# KiCad board Win-split-right.kicad_pcb
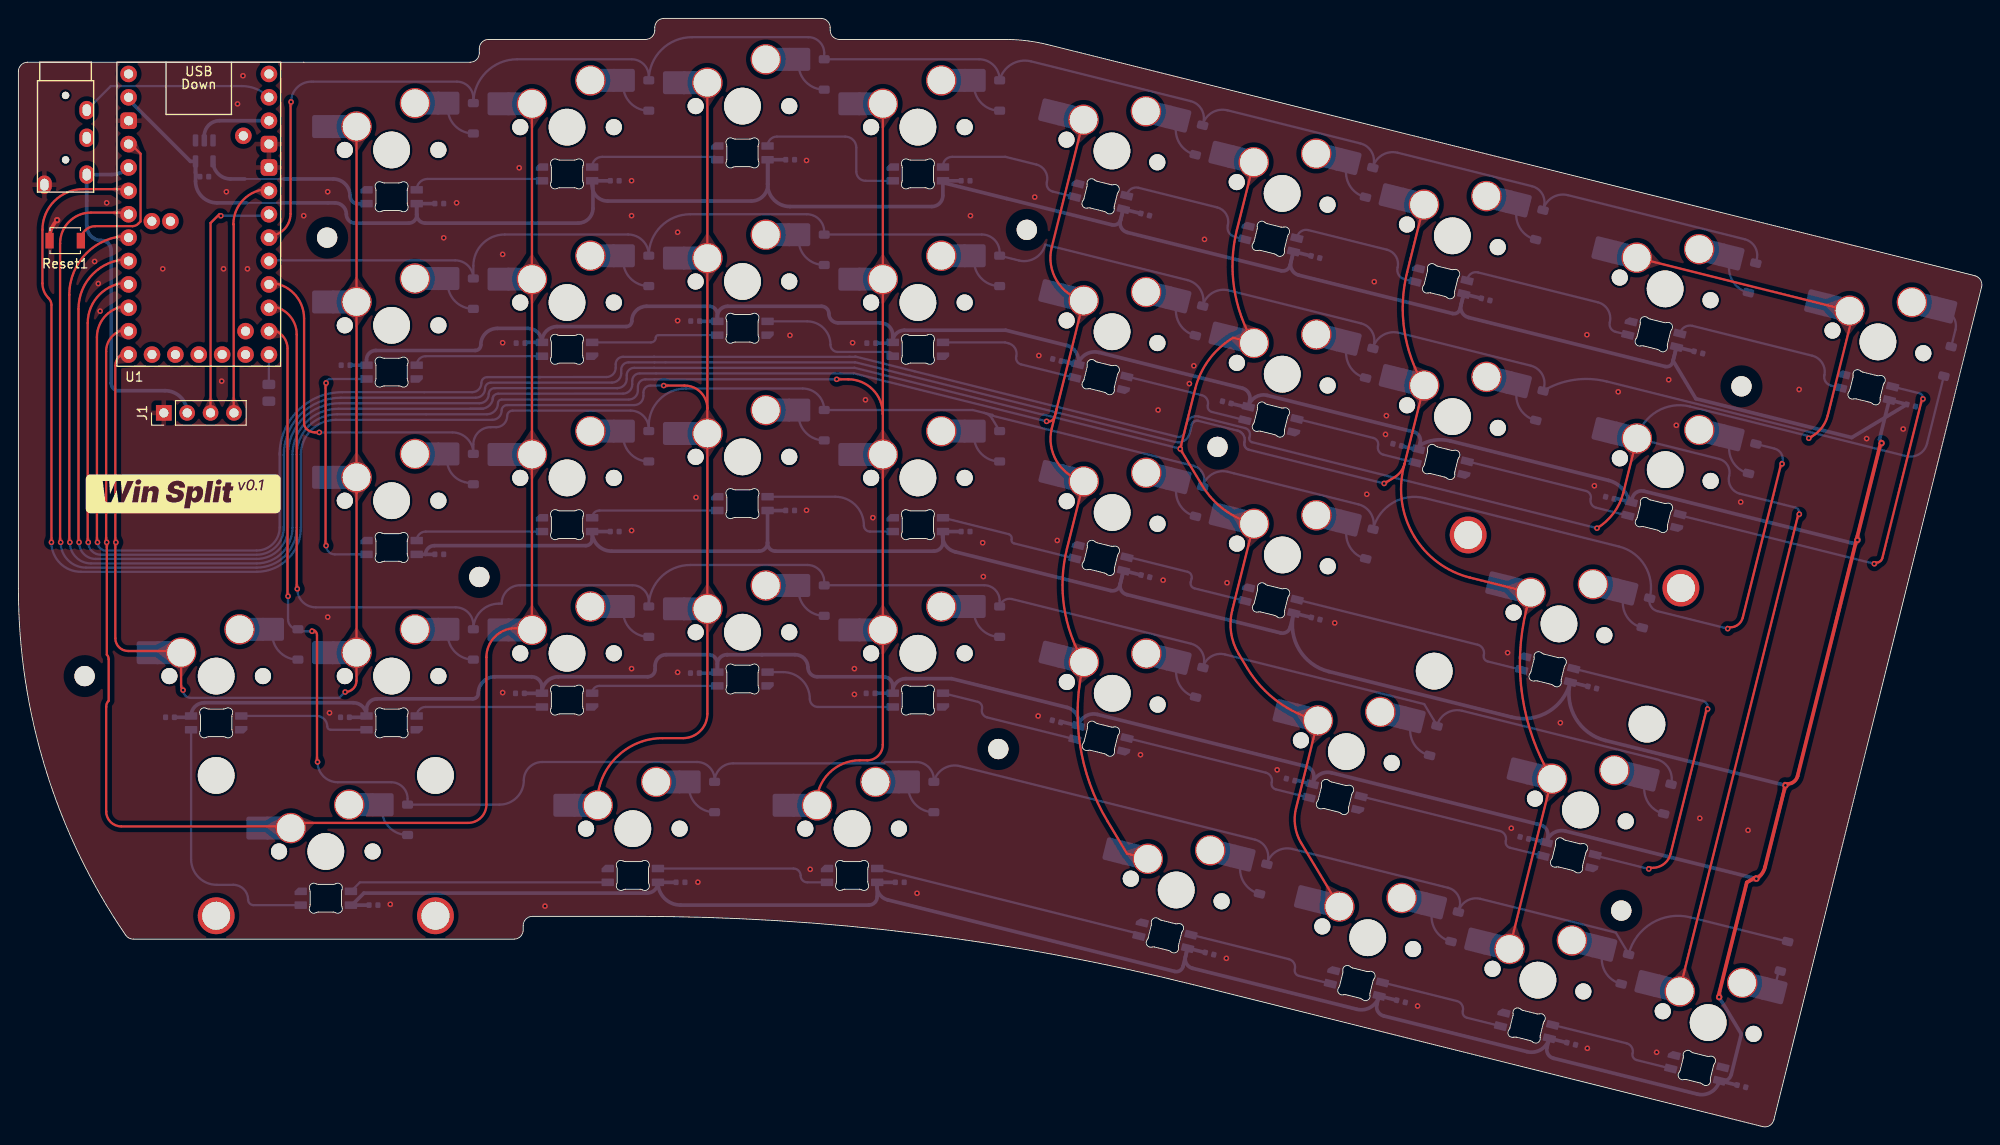
[diagram p0: board, top side]
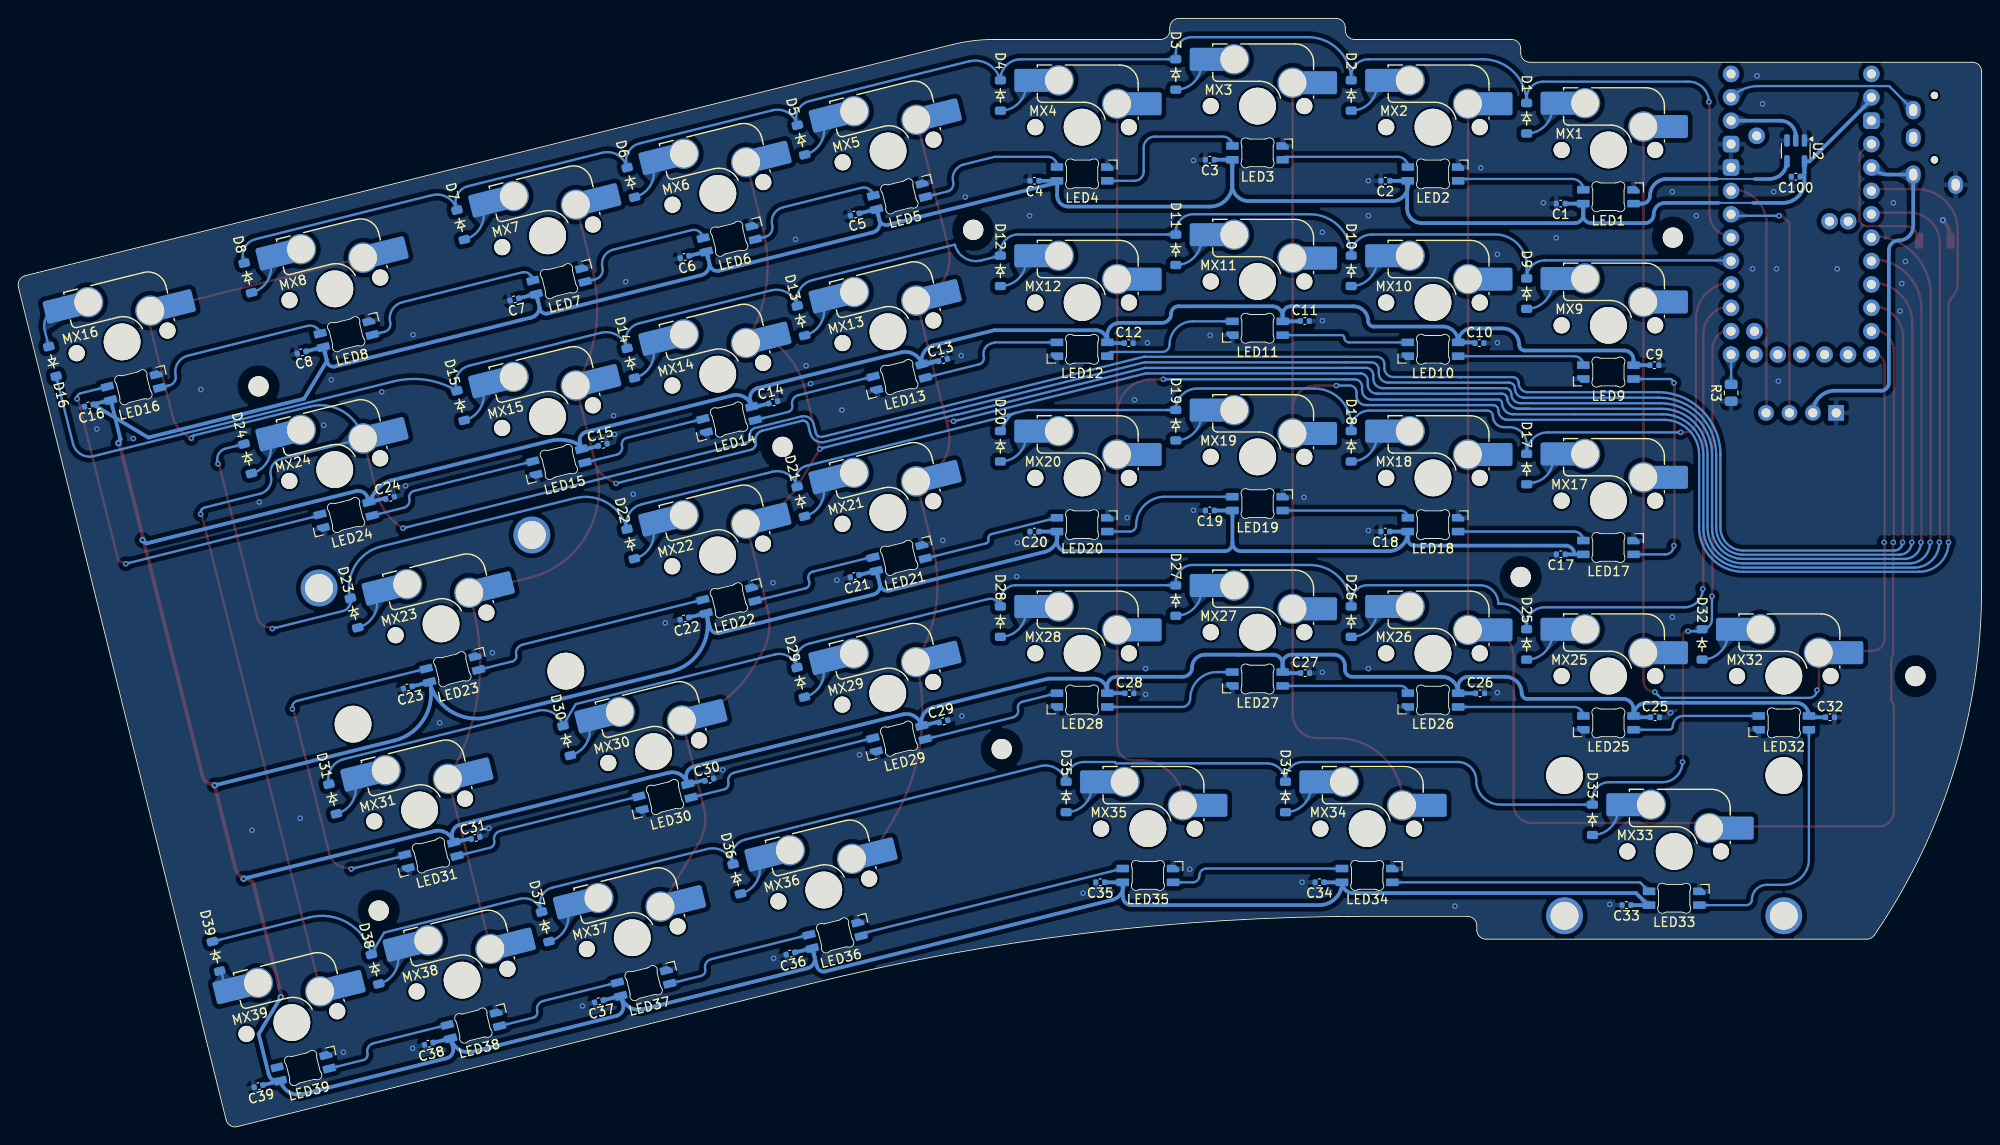
[diagram p1: board, bottom side, seen from below]

Outline 213.21 x 120.4 mm; copper layers: Top, Bottom. Coordinates in mm from the lower left corner of the outline.
Outline path: 0,114.64 0,58.49 arc(2.98,38.78) 11.65,20.82 arc(12.01,20.51) 12.47,20.39 53.81,20.39 arc(54.52,20.68) 54.81,21.39 54.81,21.87 arc(55.1,22.57) 55.81,22.87 67.12,22.87 arc(97.59,21) 127.6,15.44 189.41,0.03 arc(190.17,0.14) 190.62,0.76 213.18,91.24 arc(213.07,92) 212.45,92.45 111.76,117.56 arc(109.5,117.98) 107.2,118.12 89.15,118.12 arc(88.44,118.41) 88.15,119.12 88.15,119.4 arc(87.86,120.11) 87.15,120.4 70.1,120.4 arc(69.39,120.11) 69.1,119.4 69.1,119.12 arc(68.81,118.41) 68.1,118.12 51.05,118.12 arc(50.34,117.82) 50.05,117.12 50.05,116.64 arc(49.76,115.93) 49.05,115.64 31,115.64 1,115.64 arc(0.29,115.35) 0,114.64
Stack: Top 0.035mm / dielectric 1.51mm FR4 er 4.5 / Bottom 0.035mm

## Placement (name value [footprint] x y rotation side)
C1  100nF  [C_0402_1005Metric]  45.7 100.29 0 bottom
C2  100nF  [C_0402_1005Metric]  64.75 102.77 0 bottom
C3  100nF  [C_0402_1005Metric]  83.8 105.05 0 bottom
C4  100nF  [C_0402_1005Metric]  102.85 102.77 0 bottom
C5  100nF  [C_0402_1005Metric]  122.36 99.1 346 bottom
C6  100nF  [C_0402_1005Metric]  140.85 94.49 346 bottom
C7  100nF  [C_0402_1005Metric]  159.33 89.88 346 bottom
C8  100nF  [C_0402_1005Metric]  182.43 84.12 346 bottom
C9  100nF  [C_0402_1005Metric]  35.53 82.73 180 bottom
C10  100nF  [C_0402_1005Metric]  54.53 85.13 180 bottom
C11  100nF  [C_0402_1005Metric]  73.49 87.53 180 bottom
C12  100nF  [C_0402_1005Metric]  92.61 85.13 180 bottom
C13  100nF  [C_0402_1005Metric]  112.78 83.29 166 bottom
C14  100nF  [C_0402_1005Metric]  131.22 78.7 166 bottom
C15  100nF  [C_0402_1005Metric]  149.73 74.08 166 bottom
C16  100nF  [C_0402_1005Metric]  205.54 78.36 346 bottom
C17  100nF  [C_0402_1005Metric]  45.7 62.19 0 bottom
C18  100nF  [C_0402_1005Metric]  64.75 64.67 0 bottom
C19  100nF  [C_0402_1005Metric]  83.8 66.95 0 bottom
C20  100nF  [C_0402_1005Metric]  102.85 64.67 0 bottom
C21  100nF  [C_0402_1005Metric]  122.39 59.83 346 bottom
C22  100nF  [C_0402_1005Metric]  140.87 55.22 346 bottom
C23  100nF  [C_0402_1005Metric]  170.91 47.73 346 bottom
C24  100nF  [C_0402_1005Metric]  172.82 68.32 166 bottom
C25  100nF  [C_0402_1005Metric]  35.46 44.49 180 bottom
C26  100nF  [C_0402_1005Metric]  54.46 47.09 180 bottom
C27  100nF  [C_0402_1005Metric]  73.46 49.29 180 bottom
C28  100nF  [C_0402_1005Metric]  92.54 47.09 180 bottom
C29  100nF  [C_0402_1005Metric]  112.73 44.05 166 bottom
C30  100nF  [C_0402_1005Metric]  138.15 37.71 166 bottom
C31  100nF  [C_0402_1005Metric]  163.54 31.38 166 bottom
C32  100nF  [C_0402_1005Metric]  16.46 44.49 180 bottom
C33  100nF  [C_0402_1005Metric]  38.56 24.09 0 bottom
C34  100nF  [C_0402_1005Metric]  71.9 26.57 0 bottom
C35  100nF  [C_0402_1005Metric]  95.71 26.57 0 bottom
C36  100nF  [C_0402_1005Metric]  129.34 18.83 346 bottom
C37  100nF  [C_0402_1005Metric]  150.14 13.64 346 bottom
C38  100nF  [C_0402_1005Metric]  168.62 9.03 346 bottom
C39  100nF  [C_0402_1005Metric]  187.11 4.42 346 bottom
C100  100nF  [C_0402_1005Metric]  20.18 103.21 180 bottom
D1  Diode  [Diode_SOD-123]  49.4 109.55 270 bottom
D2  Diode  [Diode_SOD-123]  68.45 112.03 270 bottom
D3  Diode  [Diode_SOD-123]  87.5 114.32 270 bottom
D4  Diode  [Diode_SOD-123]  106.55 112.03 270 bottom
D5  Diode  [Diode_SOD-123]  128.19 107.19 256 bottom
D6  Diode  [Diode_SOD-123]  146.68 102.58 256 bottom
D7  Diode  [Diode_SOD-123]  165.16 97.97 256 bottom
D8  Diode  [Diode_SOD-123]  188.26 92.21 256 bottom
D9  Diode  [Diode_SOD-123]  49.4 90.5 270 bottom
D10  Diode  [Diode_SOD-123]  68.45 92.98 270 bottom
D11  Diode  [Diode_SOD-123]  87.5 95.27 270 bottom
D12  Diode  [Diode_SOD-123]  106.55 92.98 270 bottom
D13  Diode  [Diode_SOD-123]  128.2 87.56 256 bottom
D14  Diode  [Diode_SOD-123]  146.69 82.95 256 bottom
D15  Diode  [Diode_SOD-123]  165.17 78.34 256 bottom
D16  Diode  [Diode_SOD-123]  209.49 83.15 76 bottom
D17  Diode  [Diode_SOD-123]  49.4 71.45 270 bottom
D18  Diode  [Diode_SOD-123]  68.45 73.93 270 bottom
D19  Diode  [Diode_SOD-123]  87.5 76.22 270 bottom
D20  Diode  [Diode_SOD-123]  106.55 73.93 270 bottom
D21  Diode  [Diode_SOD-123]  128.22 67.92 256 bottom
D22  Diode  [Diode_SOD-123]  146.7 63.31 256 bottom
D23  Diode  [Diode_SOD-123]  176.74 55.82 256 bottom
D24  Diode  [Diode_SOD-123]  188.28 72.58 256 bottom
D25  Diode  [Diode_SOD-123]  49.4 52.4 270 bottom
D26  Diode  [Diode_SOD-123]  68.45 54.88 270 bottom
D27  Diode  [Diode_SOD-123]  87.5 57.17 270 bottom
D28  Diode  [Diode_SOD-123]  106.55 54.88 270 bottom
D29  Diode  [Diode_SOD-123]  128.23 48.28 256 bottom
D30  Diode  [Diode_SOD-123]  153.64 41.95 256 bottom
D31  Diode  [Diode_SOD-123]  179.06 35.61 256 bottom
D32  Diode  [Diode_SOD-123]  30.35 52.4 270 bottom
D33  Diode  [Diode_SOD-123]  42.26 33.35 270 bottom
D34  Diode  [Diode_SOD-123]  75.6 35.83 270 bottom
D35  Diode  [Diode_SOD-123]  99.41 35.83 270 bottom
D36  Diode  [Diode_SOD-123]  135.17 26.92 256 bottom
D37  Diode  [Diode_SOD-123]  155.97 21.73 256 bottom
D38  Diode  [Diode_SOD-123]  174.45 17.13 256 bottom
D39  Diode  [Diode_SOD-123]  191.72 18.52 256 bottom
H1  MountingHole_Pad  [HOLE_M2]  33.53 96.59 0 top
H2  MountingHole_Pad  [HOLE_M2]  109.5 97.44 0 top
H3  MountingHole_Pad  [HOLE_M2]  187.11 80.44 0 top
H4  MountingHole_Pad  [HOLE_M2]  174.06 23.49 0 top
H5  MountingHole_Pad  [HOLE_M2]  130.21 73.86 0 top
H6  MountingHole_Pad  [HOLE_M2]  106.41 41.04 0 top
H7  MountingHole_Pad  [HOLE_M2]  50.05 59.73 0 top
H8  MountingHole_Pad  [HOLE_M2]  7.19 48.96 0 top
J1  Conn_01x04_Socket  [PinHeader_1x04_P2.54mm_Vertical]  15.79 77.55 90 top
LED1  MX_SK6812MINI-E  [LED_MX_6028R-ROT]  40.53 101.03 180 bottom
LED2  MX_SK6812MINI-E  [LED_MX_6028R-ROT]  59.58 103.51 180 bottom
LED3  MX_SK6812MINI-E  [LED_MX_6028R-ROT]  78.62 105.8 180 bottom
LED4  MX_SK6812MINI-E  [LED_MX_6028R-ROT]  97.68 103.51 180 bottom
LED5  MX_SK6812MINI-E  [LED_MX_6028R-ROT]  117.52 101.07 166 bottom
LED6  MX_SK6812MINI-E  [LED_MX_6028R-ROT]  136 96.47 166 bottom
LED7  MX_SK6812MINI-E  [LED_MX_6028R-ROT]  154.49 91.86 166 bottom
LED8  MX_SK6812MINI-E  [LED_MX_6028R-ROT]  177.59 86.1 166 bottom
LED9  MX_SK6812MINI-E  [LED_MX_6028R]  40.53 81.98 180 bottom
LED10  MX_SK6812MINI-E  [LED_MX_6028R]  59.58 84.46 180 bottom
LED11  MX_SK6812MINI-E  [LED_MX_6028R]  78.63 86.75 180 bottom
LED12  MX_SK6812MINI-E  [LED_MX_6028R]  97.68 84.46 180 bottom
LED13  MX_SK6812MINI-E  [LED_MX_6028R]  117.53 81.44 166 bottom
LED14  MX_SK6812MINI-E  [LED_MX_6028R]  136.01 76.83 166 bottom
LED15  MX_SK6812MINI-E  [LED_MX_6028R]  154.5 72.22 166 bottom
LED16  MX_SK6812MINI-E  [LED_MX_6028R-ROT]  200.7 80.34 166 bottom
LED17  MX_SK6812MINI-E  [LED_MX_6028R-ROT]  40.53 62.93 180 bottom
LED18  MX_SK6812MINI-E  [LED_MX_6028R-ROT]  59.58 65.41 180 bottom
LED19  MX_SK6812MINI-E  [LED_MX_6028R-ROT]  78.63 67.7 180 bottom
LED20  MX_SK6812MINI-E  [LED_MX_6028R-ROT]  97.68 65.41 180 bottom
LED21  MX_SK6812MINI-E  [LED_MX_6028R-ROT]  117.54 61.8 166 bottom
LED22  MX_SK6812MINI-E  [LED_MX_6028R-ROT]  136.03 57.19 166 bottom
LED23  MX_SK6812MINI-E  [LED_MX_6028R-ROT]  166.06 49.7 166 bottom
LED24  MX_SK6812MINI-E  [LED_MX_6028R]  177.6 66.46 166 bottom
LED25  MX_SK6812MINI-E  [LED_MX_6028R]  40.52 43.88 180 bottom
LED26  MX_SK6812MINI-E  [LED_MX_6028R]  59.58 46.36 180 bottom
LED27  MX_SK6812MINI-E  [LED_MX_6028R]  78.63 48.65 180 bottom
LED28  MX_SK6812MINI-E  [LED_MX_6028R]  97.68 46.36 180 bottom
LED29  MX_SK6812MINI-E  [LED_MX_6028R]  117.55 42.17 166 bottom
LED30  MX_SK6812MINI-E  [LED_MX_6028R]  142.97 35.83 166 bottom
LED31  MX_SK6812MINI-E  [LED_MX_6028R]  168.39 29.49 166 bottom
LED32  MX_SK6812MINI-E  [LED_MX_6028R]  21.48 43.88 180 bottom
LED33  MX_SK6812MINI-E  [LED_MX_6028R-ROT]  33.38 24.83 180 bottom
LED34  MX_SK6812MINI-E  [LED_MX_6028R-ROT]  66.72 27.31 180 bottom
LED35  MX_SK6812MINI-E  [LED_MX_6028R-ROT]  90.53 27.31 180 bottom
LED36  MX_SK6812MINI-E  [LED_MX_6028R-ROT]  124.5 20.8 166 bottom
LED37  MX_SK6812MINI-E  [LED_MX_6028R-ROT]  145.29 15.62 166 bottom
LED38  MX_SK6812MINI-E  [LED_MX_6028R-ROT]  163.78 11.01 166 bottom
LED39  MX_SK6812MINI-E  [LED_MX_6028R-ROT]  182.26 6.4 166 bottom
MX1  MX_SW_HS  [SW_MX_HS_CPG151101S11_1u]  40.53 106.11 180 bottom
MX2  MX_SW_HS  [SW_MX_HS_CPG151101S11_1u]  59.58 108.59 180 bottom
MX3  MX_SW_HS  [SW_MX_HS_CPG151101S11_1u]  78.63 110.88 180 bottom
MX4  MX_SW_HS  [SW_MX_HS_CPG151101S11_1u]  97.68 108.59 180 bottom
MX5  MX_SW_HS  [SW_MX_HS_CPG151101S11_1u]  118.75 106 166 bottom
MX6  MX_SW_HS  [SW_MX_HS_CPG151101S11_1u]  137.23 101.4 166 bottom
MX7  MX_SW_HS  [SW_MX_HS_CPG151101S11_1u]  155.71 96.79 166 bottom
MX8  MX_SW_HS  [SW_MX_HS_CPG151101S11_1.5u]  178.82 91.03 166 bottom
MX9  MX_SW_HS  [SW_MX_HS_CPG151101S11_1u]  40.53 87.06 180 bottom
MX10  MX_SW_HS  [SW_MX_HS_CPG151101S11_1u]  59.58 89.54 180 bottom
MX11  MX_SW_HS  [SW_MX_HS_CPG151101S11_1u]  78.63 91.83 180 bottom
MX12  MX_SW_HS  [SW_MX_HS_CPG151101S11_1u]  97.68 89.54 180 bottom
MX13  MX_SW_HS  [SW_MX_HS_CPG151101S11_1u]  118.76 86.37 166 bottom
MX14  MX_SW_HS  [SW_MX_HS_CPG151101S11_1u]  137.24 81.76 166 bottom
MX15  MX_SW_HS  [SW_MX_HS_CPG151101S11_1u]  155.73 77.15 166 bottom
MX16  MX_SW_HS  [SW_MX_HS_CPG151101S11_1u]  201.92 85.27 166 bottom
MX17  MX_SW_HS  [SW_MX_HS_CPG151101S11_1u]  40.52 68.01 180 bottom
MX18  MX_SW_HS  [SW_MX_HS_CPG151101S11_1u]  59.58 70.49 180 bottom
MX19  MX_SW_HS  [SW_MX_HS_CPG151101S11_1u]  78.63 72.78 180 bottom
MX20  MX_SW_HS  [SW_MX_HS_CPG151101S11_1u]  97.68 70.49 180 bottom
MX21  MX_SW_HS  [SW_MX_HS_CPG151101S11_1u]  118.77 66.73 166 bottom
MX22  MX_SW_HS  [SW_MX_HS_CPG151101S11_1u]  137.26 62.12 166 bottom
MX23  MX_SW_HS  [SW_MX_HS_CPG151101S11_1.25u]  167.29 54.63 166 bottom
MX24  MX_SW_HS  [SW_MX_HS_CPG151101S11_1.5u]  178.83 71.39 166 bottom
MX25  MX_SW_HS  [SW_MX_HS_CPG151101S11_1u]  40.53 48.96 180 bottom
MX26  MX_SW_HS  [SW_MX_HS_CPG151101S11_1u]  59.58 51.44 180 bottom
MX27  MX_SW_HS  [SW_MX_HS_CPG151101S11_1u]  78.63 53.73 180 bottom
MX28  MX_SW_HS  [SW_MX_HS_CPG151101S11_1u]  97.68 51.44 180 bottom
MX29  MX_SW_HS  [SW_MX_HS_CPG151101S11_1u]  118.78 47.09 166 bottom
MX30  MX_SW_HS  [SW_MX_HS_CPG151101S11_1u]  144.2 40.76 166 bottom
MX31  MX_SW_HS  [SW_MX_HS_CPG151101S11_1u]  169.62 34.42 166 bottom
MX32  MX_SW_HS  [SW_MX_HS_CPG151101S11_1u]  21.48 48.96 180 bottom
MX33  MX_SW_HS  [SW_MX_HS_CPG151101S11_1u]  33.38 29.91 180 bottom
MX34  MX_SW_HS  [SW_MX_HS_CPG151101S11_1.25u]  66.72 32.39 180 bottom
MX35  MX_SW_HS  [SW_MX_HS_CPG151101S11_1.25u]  90.53 32.39 180 bottom
MX36  MX_SW_HS  [SW_MX_HS_CPG151101S11_1.25u]  125.73 25.73 166 bottom
MX37  MX_SW_HS  [SW_MX_HS_CPG151101S11_1u]  146.52 20.55 166 bottom
MX38  MX_SW_HS  [SW_MX_HS_CPG151101S11_1u]  165.01 15.94 166 bottom
MX39  MX_SW_HS  [SW_MX_HS_CPG151101S11_1u]  183.49 11.33 166 bottom
R3  4.7K  [R_0805_2012Metric]  27.19 79.73 90 bottom
Reset1  Switch  [SW_SPST_B3U-1000P]  5.08 96.26 180 top
S23  MX_stab  [STAB_MX_P_2.25u]  167.29 54.63 346 top
S33  MX_stab  [STAB_MX_P_2.25u]  33.38 29.91 180 top
TRRS1  TRRS  [TRRS_PJ-320A]  5.12 113.64 0 top
U1  RP2040_ProMicro  [RP2040_ProMicro_USBdn]  19.59 97.86 0 top
U2  74AHCT1G125  [SOT-23-5]  20.18 106.01 270 bottom

## Library data of the parts
C1-C39 C100 = -: Description: Unpolarized capacitor, small symbol; LCSC: C1525
D1-D39 = -: Description: 1N4148 (DO-35) or 1N4148W (SOD-123); LCSC: C81598; Sim.Device: D; Sim.Pins: 1=K 2=A
H1-H8 = -: Description: Mounting Hole without connection
J1 = -: Description: Generic connector, single row, 01x04, script generated
LED1-LED39 = -: Description: Reverse mount adressable LED (WS2812 protocol)
MX1-MX39 = -: Description: Push button switch, normally open, two pins, 45° tilted, Kailh CPG151101S11 for Cherry MX style switches
R3 = -: Description: Resistor; LCSC: C17673
Reset1 = -: Description: Push button switch, generic, two pins; LCSC: C231329
S23 S33 = -: Description: Cherry MX-style stabilizer
U2 = -: Description: Single Buffer Gate Tri-State, Low-Voltage CMOS; LCSC: C7484

## Footprints (pads in the part's own frame, mm; a bottom-side part is the same pattern mirrored in y, then rotated)
C_0402_1005Metric
  rrect 0.56x0.62 smd: 1(-0.48,0) 2(0.48,0)
Diode_SOD-123
  rrect 0.9x1.2 smd: 1(-1.65,0) 2(1.65,0)
HOLE_M2
  round 2.2 hole 2.2 unplated: (0,0)
LED_MX_6028R
  rrect 1.35x0.82 smd: 1(2.725,0.75) 2(2.725,-0.75) 3(-2.725,0.75) 4(-2.725,-0.75)
LED_MX_6028R-ROT
  rrect 1.35x0.82 smd: 1(-2.725,-0.75) 2(-2.725,0.75) 3(2.725,-0.75) 4(2.725,0.75)
PinHeader_1x04_P2.54mm_Vertical
  rect 1.7x1.7 hole 1: 1(0,0)
  oval 1.7x1.7 hole 1: 2(0,-2.54) 3(0,-5.08) 4(0,-7.62)
R_0805_2012Metric
  rrect 1.025x1.4 smd: 1(-0.912,0) 2(0.912,0)
RP2040_ProMicro_USBdn
  round 1.8 hole 1: 0(7.62,13.97) 1(7.62,11.43) 2(7.62,3.81) 3(7.62,1.27) 3v3(-7.62,6.35) 4(7.62,-1.27) 5(7.62,-3.81) 5v(-7.62,13.97) 6(7.62,-6.35) 7(7.62,-8.89) 8(7.62,-11.43) 9(7.62,-13.97) 10(7.62,16.51) 11(-7.62,16.51) 12(5.08,-13.97) 13(2.54,-13.97) 14(0,-13.97) 15(-2.54,-13.97) 16(-5.08,-13.97) 18(-3.075,0.51) 20(-7.62,-8.89) 21(-7.62,-13.97) 22(-7.62,-6.35) 23(-7.62,-11.43) 24(-5.1,0.51) 25(5.08,-11.43) 26(-7.62,-3.81) 27(-7.62,-1.27) 28(-7.62,1.27) 29(-7.62,3.81) BOOT(4.84,9.79) RST(-7.62,8.89)
  rrect 1.8x1.8 hole 1: G(-7.62,11.43) G(7.62,8.89) G(7.62,6.35)
SOT-23-5
  rrect 1.325x0.6 smd: 1(-1.137,0.95) 2(-1.137,0) 3(-1.137,-0.95) 4(1.137,-0.95) 5(1.137,0.95)
STAB_MX_P_2.25u
  round 4 hole 3.048: (-11.906,6.985) (11.906,6.985)
  round 3.988 hole 3.988 unplated: (-11.906,-8.255) (11.906,-8.255)
SW_MX_HS_CPG151101S11_1.5u
  round 1.75 hole 1.75 unplated: (-5.08,0) (5.08,0)
  round 3.988 hole 3.988 unplated: (0,0)
  round 3.3 hole 3: 1(3.81,2.54) 2(-2.54,5.08)
  rect 1.65x2.5 smd: 1(5.635,2.54) 2(-4.34,5.08)
  rrect 2.55x2.5 smd: 1(7.36,2.54) 2(-6.09,5.08)
SW_MX_HS_CPG151101S11_1.25u
  round 1.75 hole 1.75 unplated: (-5.08,0) (5.08,0)
  round 3.988 hole 3.988 unplated: (0,0)
  round 3.3 hole 3: 1(3.81,2.54) 2(-2.54,5.08)
  rect 1.65x2.5 smd: 1(5.635,2.54) 2(-4.34,5.08)
  rrect 2.55x2.5 smd: 1(7.36,2.54) 2(-6.09,5.08)
SW_MX_HS_CPG151101S11_1u
  round 1.75 hole 1.75 unplated: (-5.08,0) (5.08,0)
  round 3.988 hole 3.988 unplated: (0,0)
  round 3.3 hole 3: 1(3.81,2.54) 2(-2.54,5.08)
  rect 1.65x2.5 smd: 1(5.635,2.54) 2(-4.34,5.08)
  rrect 2.55x2.5 smd: 1(7.36,2.54) 2(-6.09,5.08)
SW_SPST_B3U-1000P
  rect 0.9x1.7 smd: 1(-1.7,0) 2(1.7,0)
TRRS_PJ-320A
  round 0.8 hole 0.8 unplated: (0,-1.6) (0,-8.6)
  oval 1.6x2 hole 0.9x1.3: 1(-2.3,-11.3) 2(2.3,-10.2) 3(2.3,-6.2) 4(2.3,-3.2)

## Nets
+5V: C1.1 C2.1 C3.1 C4.1 C5.1 C6.1 C7.1 C8.1 C9.1 C10.1 C11.1 C12.1 C13.1 C14.1 C15.1 C16.1 C17.1 C18.1 C19.1 C20.1 C21.1 C22.1 C23.1 C24.1 C25.1 C26.1 C27.1 C28.1 C29.1 C30.1 C31.1 C32.1 C33.1 C34.1 C35.1 C36.1 C37.1 C38.1 C39.1 C100.2 LED1.1 LED2.1 LED3.1 LED4.1 LED5.1 LED6.1 LED7.1 LED8.1 LED9.1 LED10.1 LED11.1 LED12.1 LED13.1 LED14.1 LED15.1 LED16.1 LED17.1 LED18.1 LED19.1 LED20.1 LED21.1 LED22.1 LED23.1 LED24.1 LED25.1 LED26.1 LED27.1 LED28.1 LED29.1 LED30.1 LED31.1 LED32.1 LED33.1 LED34.1 LED35.1 LED36.1 LED37.1 LED38.1 LED39.1 U1.5v U2.5
GND: C1.2 C2.2 C3.2 C4.2 C5.2 C6.2 C7.2 C8.2 C9.2 C10.2 C11.2 C12.2 C13.2 C14.2 C15.2 C16.2 C17.2 C18.2 C19.2 C20.2 C21.2 C22.2 C23.2 C24.2 C25.2 C26.2 C27.2 C28.2 C29.2 C30.2 C31.2 C32.2 C33.2 C34.2 C35.2 C36.2 C37.2 C38.2 C39.2 C100.1 J1.1 LED1.4 LED2.4 LED3.4 LED4.4 LED5.4 LED6.4 LED7.4 LED8.4 LED9.4 LED10.4 LED11.4 LED12.4 LED13.4 LED14.4 LED15.4 LED16.4 LED17.4 LED18.4 LED19.4 LED20.4 LED21.4 LED22.4 LED23.4 LED24.4 LED25.4 LED26.4 LED27.4 LED28.4 LED29.4 LED30.4 LED31.4 LED32.4 LED33.4 LED34.4 LED35.4 LED36.4 LED37.4 LED38.4 LED39.4 R3.1 Reset1.2 TRRS1.1 U1.G U2.1 U2.3
VCC: J1.2 TRRS1.2 U1.3v3
COL0: MX1.1 MX9.1 MX17.1 MX25.1 MX32.1 U1.21
COL1: MX2.1 MX10.1 MX18.1 MX26.1 MX33.1 U1.23
COL2: MX3.1 MX11.1 MX19.1 MX27.1 MX34.1 U1.29
COL3: MX4.1 MX12.1 MX20.1 MX28.1 MX35.1 U1.28
COL4: MX5.1 MX13.1 MX21.1 MX29.1 MX36.1 U1.27
COL5: MX6.1 MX14.1 MX22.1 MX30.1 MX37.1 U1.26
COL6: MX7.1 MX15.1 MX23.1 MX31.1 MX38.1 U1.22
COL7: MX8.1 MX16.1 MX24.1 MX39.1 U1.20
DATA: TRRS1.4 U1.0
LED_3v3: U1.1 U2.2
LED_5v: LED1.3 U2.4
RESET: Reset1.1 U1.RST
ROW0: D1.1 D2.1 D3.1 D4.1 D5.1 D6.1 D7.1 D8.1 U1.4
ROW1: D9.1 D10.1 D11.1 D12.1 D13.1 D14.1 D15.1 D16.1 U1.5
ROW2: D17.1 D18.1 D19.1 D20.1 D21.1 D22.1 D23.1 D24.1 U1.6
ROW3: D25.1 D26.1 D27.1 D28.1 D29.1 D30.1 D31.1 U1.7
ROW4: D32.1 D33.1 D34.1 D35.1 D36.1 D37.1 D38.1 D39.1 U1.8
SCL: J1.3 U1.3
SDA: J1.4 U1.2
Net-(D1-A): D1.2 MX1.2
Net-(D2-A): D2.2 MX2.2
Net-(D3-A): D3.2 MX3.2
Net-(D4-A): D4.2 MX4.2
Net-(D5-A): D5.2 MX5.2
Net-(D6-A): D6.2 MX6.2
Net-(D7-A): D7.2 MX7.2
Net-(D8-A): D8.2 MX8.2
Net-(D9-A): D9.2 MX9.2
Net-(D10-A): D10.2 MX10.2
Net-(D11-A): D11.2 MX11.2
Net-(D12-A): D12.2 MX12.2
Net-(D13-A): D13.2 MX13.2
Net-(D14-A): D14.2 MX14.2
Net-(D15-A): D15.2 MX15.2
Net-(D16-A): D16.2 MX16.2
Net-(D17-A): D17.2 MX17.2
Net-(D18-A): D18.2 MX18.2
Net-(D19-A): D19.2 MX19.2
Net-(D20-A): D20.2 MX20.2
Net-(D21-A): D21.2 MX21.2
Net-(D22-A): D22.2 MX22.2
Net-(D23-A): D23.2 MX23.2
Net-(D24-A): D24.2 MX24.2
Net-(D25-A): D25.2 MX25.2
Net-(D26-A): D26.2 MX26.2
Net-(D27-A): D27.2 MX27.2
Net-(D28-A): D28.2 MX28.2
Net-(D29-A): D29.2 MX29.2
Net-(D30-A): D30.2 MX30.2
Net-(D31-A): D31.2 MX31.2
Net-(D32-A): D32.2 MX32.2
Net-(D33-A): D33.2 MX33.2
Net-(D34-A): D34.2 MX34.2
Net-(D35-A): D35.2 MX35.2
Net-(D36-A): D36.2 MX36.2
Net-(D37-A): D37.2 MX37.2
Net-(D38-A): D38.2 MX38.2
Net-(D39-A): D39.2 MX39.2
Net-(LED1-DOUT): LED1.2 LED2.3
Net-(LED2-DOUT): LED2.2 LED3.3
Net-(LED3-DOUT): LED3.2 LED4.3
Net-(LED4-DOUT): LED4.2 LED5.3
Net-(LED5-DOUT): LED5.2 LED6.3
Net-(LED6-DOUT): LED6.2 LED7.3
Net-(LED7-DOUT): LED7.2 LED8.3
Net-(LED10-DIN): LED10.3 LED11.2
Net-(LED10-DOUT): LED9.3 LED10.2
Net-(LED11-DIN): LED11.3 LED12.2
Net-(LED12-DIN): LED12.3 LED13.2
Net-(LED13-DIN): LED13.3 LED14.2
Net-(LED14-DIN): LED14.3 LED15.2
Net-(LED15-DIN): LED15.3 LED24.2
Net-(LED16-DIN): LED8.2 LED16.3
Net-(LED16-DOUT): LED16.2 LED24.3
Net-(LED17-DIN): LED9.2 LED17.3
Net-(LED17-DOUT): LED17.2 LED18.3
Net-(LED18-DOUT): LED18.2 LED19.3
Net-(LED19-DOUT): LED19.2 LED20.3
Net-(LED20-DOUT): LED20.2 LED21.3
Net-(LED21-DOUT): LED21.2 LED22.3
Net-(LED22-DOUT): LED22.2 LED23.3
Net-(LED23-DOUT): LED23.2 LED31.3
Net-(LED25-DIN): LED25.3 LED26.2
Net-(LED25-DOUT): LED25.2 LED32.3
Net-(LED26-DIN): LED26.3 LED27.2
Net-(LED27-DIN): LED27.3 LED28.2
Net-(LED28-DIN): LED28.3 LED29.2
Net-(LED29-DIN): LED29.3 LED30.2
Net-(LED30-DIN): LED30.3 LED31.2
Net-(LED32-DOUT): LED32.2 LED33.3
Net-(LED33-DOUT): LED33.2 LED34.3
Net-(LED34-DOUT): LED34.2 LED35.3
Net-(LED35-DOUT): LED35.2 LED36.3
Net-(LED36-DOUT): LED36.2 LED37.3
Net-(LED37-DOUT): LED37.2 LED38.3
Net-(LED38-DOUT): LED38.2 LED39.3
Net-(R3-Pad2): R3.2 U1.9

Pads without a net: LED39 2; TRRS1 3; U1 10 11 12 13 14 15 16 18 24 25 BOOT

## Via types
v1: diameter 0.61, hole 0.305, Top to Bottom, 113 vias
v2: diameter 0.7, hole 0.305, Top to Bottom, 6 vias

## Routing (per net, layer and track width the routed paths; a pad name or vN(x,y) marks a point on that pad's centre or on a via; arc(x,y) is an arc through that point)
+5V: length 1124.6
  Top w0.4: v2(191.88,37.1) 189.67,28.22 arc(189.33,27.49) v2(188.73,26.96) ; 188.67,27.14 187.68,26.54 184.62,14.27 ; 202.26,74.45 193.2,38.11 arc(192.68,37.41) 191.82,37.28
  Bottom w0.2: 28.59,100.36 24.79,100.36
  Bottom w0.4: LED22.1 138.11,54.28 arc(137.71,53.75) 137.06,53.65 120.37,57.81 arc(119.76,58.26) 119.65,59 LED21.1 ; LED22.1 140.4,55.33 arc(140.4,55.33) C22.1 ; LED22.1 arc(139.08,51.84) 142.3,49.46 162.18,44.5 arc(166.14,45.09) LED23.1 ; LED3.1 81.35,102.4 arc(82.06,100.68) 83.79,99.96 99.19,99.96 arc(100.04,100.32) 100.39,101.16 100.39,102.75 arc(100.39,102.76) LED4.1 ; LED3.1 arc(81.38,105.04) 81.39,105.01 81.39,102.36 arc(80.86,101.09) 79.59,100.56 63.99,100.56 arc(62.79,101.06) 62.3,102.25 LED2.1 ; LED3.1 arc(81.35,105.05) 81.36,105.05 C3.1 ; v2(188.73,26.96) 168,32.13 arc(166.7,31.93) LED31.1 ; LED11.1 74.01,87.5 arc(73.98,87.51) C11.1 ; LED11.1 75.9,88.24 arc(75.64,88.87) 75.01,89.13 68.21,89.13 arc(67.08,88.66) 66.61,87.53 arc(66.43,87.11) 66.01,86.93 58.5,86.93 arc(57.33,86.45) 56.85,85.28 LED10.1 ; LED11.1 75.9,88.02 arc(76.23,88.81) 77.01,89.13 87.21,89.13 arc(87.78,88.9) 88.01,88.33 arc(88.3,87.62) 89.01,87.33 93.61,87.33 arc(94.56,86.94) 94.95,85.99 LED12.1 ; LED10.1 55.09,85.21 arc(55.03,85.19) C10.1 ; LED10.1 arc(56.4,86.29) 55.33,86.73 52.01,86.73 arc(50.74,86.2) 50.21,84.93 arc(50.03,84.51) 49.61,84.33 38.81,84.33 arc(38.1,84.04) 37.8,83.32 LED9.1 36.01,82.73 arc(36.01,82.73) C9.1 ; LED5.1 119.66,98.41 arc(119.78,97.63) 120.42,97.15 137.11,92.99 arc(137.72,93.08) 138.09,93.58 LED6.1 ; LED5.1 119.69,98.53 arc(119.34,98.06) 118.77,97.98 107.32,100.83 100.54,102.52 arc(100.42,102.61) LED4.1 ; LED5.1 121.89,99.21 arc(121.89,99.21) C5.1 ; LED7.1 156.54,88.83 arc(156.24,88.42) 155.74,88.35 139.05,92.51 arc(138.32,93.05) 138.18,93.95 LED6.1 ; LED7.1 156.65,89.29 arc(156.78,88.43) 157.48,87.91 178.83,82.59 arc(179.34,82.67) 179.65,83.08 LED8.1 ; LED7.1 arc(156.95,90.47) 156.95,90.47 C7.1 ; U2.5 19.23,103.68 arc(19.37,103.35) C100.2 ; U2.5 18.68,104.87 11.97,111.59 U1.5v ; U2.5 19.23,102.72 arc(19.92,101.05) 21.58,100.36 24.79,100.36 ; LED20.1 102.37,64.66 arc(102.37,64.66) C20.1 ; LED20.1 100.4,63.52 arc(100.11,62.82) 99.41,62.53 82.21,62.53 arc(81.6,62.78) 81.35,63.39 81.35,63.47 ; LED20.1 100.4,63.54 ; LED20.1 arc(100.61,63.29) 101.72,62.46 118.62,58.25 arc(119.24,58.34) 119.61,58.84 LED21.1 ; C32.1 18.61,44.49 arc(18.71,44.53) LED32.1 arc(19.17,45.65) 20.19,46.07 36.36,46.07 arc(37.38,45.65) LED25.1 ; C25.1 37.66,44.49 arc(37.76,44.53) LED25.1 ; LED31.1 164.11,31.33 arc(164.04,31.32) C31.1 ; LED31.1 166.07,31.45 arc(165.94,32.3) 165.25,32.81 142.58,38.46 arc(141.29,38.27) LED30.1 ; C14.1 133.43,78.14 arc(133.51,78.16) LED14.1 arc(134.33,79.26) 135.61,79.45 151.52,75.49 arc(152.11,75.05) 152.22,74.33 LED15.1 ; LED8.1 179.68,83.21 182.16,79.09 199.08,74.87 C16.1 203.16,78.95 arc(203.16,78.95) LED16.1 202.09,74.66 v2(202.32,74.27) ; LED8.1 181.96,84.23 arc(181.97,84.23) C8.1 ; LED24.1 173.41,68.28 arc(173.33,68.27) C24.1 ; LED24.1 174.55,68.82 arc(173.75,69.71) 172.66,70.22 155.48,74.51 arc(153.76,74.59) 152.13,74.01 LED15.1 ; LED24.1 175.25,68.3 arc(175.72,68.94) 176.51,69.05 198.83,63.49 199.14,63.41 arc(199.49,63.46) v2(199.7,63.75) ; LED6.1 140.37,94.6 arc(140.38,94.6) C6.1 ; LED36.1 126.73,18.5 arc(126.85,17.7) 127.5,17.22 145.34,12.78 arc(146.85,13) LED37.1 ; LED36.1 126.47,17.43 arc(126.13,16.97) 125.56,16.88 94.4,24.65 arc(93.43,25.37) 93.26,26.56 ; LED36.1 128.87,18.94 arc(128.87,18.94) C36.1 ; LED26.1 56.85,47.78 arc(56.52,48.57) 55.74,48.89 51.74,48.89 arc(50.47,48.36) 49.94,47.09 arc(49.76,46.67) 49.34,46.49 38.94,46.49 arc(38.13,46.16) 37.8,45.35 LED25.1 ; LED26.1 arc(56.84,47.1) 56.83,47.09 C26.1 ; LED26.1 arc(57.37,48.37) 58.63,48.89 68.34,48.89 arc(68.91,49.13) 69.14,49.69 69.14,50.09 arc(69.49,50.94) 70.34,51.29 74.94,51.29 arc(75.62,51.01) 75.9,50.33 LED27.1 ; LED38.1 168.15,9.14 arc(168.15,9.15) C38.1 ; LED38.1 165.99,8.63 arc(166.1,7.89) 166.7,7.45 182.3,3.56 arc(183.82,3.78) LED39.1 ; LED38.1 arc(165.33,8.39) 163.82,8.17 148.27,12.05 arc(147.64,12.51) 147.52,13.29 LED37.1 ; LED23.1 170.44,47.84 arc(170.44,47.84) C23.1 ; LED23.1 arc(169.12,44.35) 172.34,41.97 v2(191.88,37.1) ; LED18.1 64.27,64.66 arc(64.27,64.66) C18.1 ; LED18.1 62.3,63.82 arc(62.1,63.33) 61.61,63.13 45.16,63.13 arc(44.49,62.85) 44.21,62.18 ; LED18.1 arc(62.92,63.16) 64.43,62.53 80.41,62.53 arc(81.07,62.81) 81.35,63.47 ; LED17.1 44.21,62.18 ; 44.21,62.18 45.22,62.18 arc(45.22,62.19) C17.1 ; LED30.1 140.65,37.79 arc(140.52,38.64) 139.83,39.15 117.17,44.8 arc(115.87,44.61) LED29.1 ; LED30.1 138.73,37.66 arc(138.66,37.65) C30.1 ; C27.1 75.79,49.29 arc(75.87,49.32) LED27.1 ; LED2.1 64.27,102.76 arc(64.27,102.76) C2.1 ; LED2.1 arc(62.36,102.74) 62.39,102.67 62.39,99.76 arc(61.92,98.63) 60.79,98.16 44.19,98.16 arc(43.52,98.44) 43.25,99.1 LED1.1 ; v2(184.68,14.09) 187.09,10.08 186,5.69 arc(185.56,5.1) 184.83,4.99 LED39.1 ; LED39.1 186.63,4.54 arc(186.64,4.54) C39.1 ; LED1.1 43.25,99.03 arc(43,98.42) 42.39,98.16 36.58,98.16 arc(35.89,98.45) 35.61,99.13 arc(35.25,100) 34.38,100.36 33.59,100.36 28.59,100.36 ; LED1.1 45.22,100.28 arc(45.22,100.29) C1.1 ; 113.49,83.22 LED13.1 arc(114.88,84.11) 113.83,84.88 107.21,86.53 96.2,86.53 arc(95.32,86.17) 94.95,85.28 LED12.1 ; LED15.1 152.07,73.74 ; LED15.1 arc(151.99,73.55) 151.91,73.54 C15.1 ; LED27.1 75.9,50.25 arc(76.2,50.99) 76.94,51.29 arc(76.94,51.29) 76.95,51.28 80.73,51.28 80.74,51.29 84.34,51.29 arc(85.33,50.88) 85.74,49.89 arc(86.03,49.18) 86.74,48.89 93.94,48.89 arc(94.65,48.59) 94.95,47.88 LED28.1 ; LED37.1 149.67,13.75 arc(149.67,13.75) C37.1 ; LED29.1 113.3,44 arc(113.24,43.99) C29.1 ; LED29.1 arc(114.9,44.8) 113.89,45.56 101.34,48.69 96.35,48.69 arc(95.36,48.28) 94.95,47.28 LED28.1 ; LED12.1 arc(94.93,85.16) 94.87,85.13 C12.1 ; LED21.1 121.91,59.94 arc(121.92,59.94) C21.1 ; LED4.1 102.37,102.76 arc(102.37,102.76) C4.1 ; 133.52,78.13 133.71,78.9 arc(133.59,79.74) 132.91,80.24 117.34,84.12 arc(115.9,83.91) 115.03,82.74 113.33,83.16 arc(113.26,83.15) 113.21,83.09 ; 81.35,63.47 LED19.1 83.32,66.95 arc(83.32,66.95) C19.1 ; LED28.1 93.04,47.11 arc(93.03,47.11) C28.1 ; LED34.1 71.41,26.56 arc(71.42,26.56) C34.1 ; LED34.1 arc(70.17,24.81) 71.91,24.09 92.34,24.09 arc(92.99,24.36) 93.26,25.01 LED35.1 95.22,26.56 arc(95.23,26.56) C35.1 ; LED34.1 arc(69.1,25.74) 68.28,25.39 37.52,25.39 36.21,24.08 36.11,24.08 38.07,24.08 arc(38.08,24.09) C33.1